# Allegro board S071AA-0413-20260427_Power.brd (continued)
## Routing (per net, layer and track width the routed paths; a pad name or vN(x,y) marks a point on that pad's centre or on a via; arc(x,y) is an arc through that point) (continued)
  TOP w0.305: K43.1 133.37,153.92 LD43.2
  L13_CBIT w0.305: K43.1 132.6,154.69 132.6,137.19 142.76,127.04 160.22,127.04 174.14,113.12 174.14,19.17 175.53,17.78
S1_CBIT044: length 160.4
  TOP w0.305: LD44.2 156.23,153.67 K44.1
  L13_CBIT w0.305: 185.69,17.78 186.91,19 186.91,124.8 155.5,156.21 K44.1
S1_CBIT045: length 204.5
  TOP w0.305: K45.8 182.51,209.12 183.18,209.79 LD45.2
  L13_CBIT w0.305: 193.31,15.24 194.62,16.55 194.62,128.67 190.5,132.79 190.5,202.8 184.18,209.12 K45.8
S1_CBIT046: length 209
  TOP w0.305: LD46.2 182.84,216.56 182.51,216.23 K46.8
  L13_CBIT w0.305: K46.8 182.54,216.23 194.31,204.46 194.31,137.22 197.13,134.4 197.13,19.06 195.85,17.78
S1_CSDPS1-1F:
  vias: v2(238.78,294.62)
S1_CSDPS1-1GS: length 565.1
  L16_DPS w0.203: v2(225.06,294.32) 225.83,294.32 226.63,293.52 270.23,293.52 282.65,305.93 282.65,412.26 274.14,420.76 212.96,420.76 205.73,427.99 86.54,427.99 79.4,420.85 65.6,420.85 59.5,426.95 3.98,426.95 1.37,424.35 1.37,342.65 7.39,336.63 16.86,336.63 18.05,337.82
S1_CSDPS1-1S: length 554
  L16_DPS w0.203: v2(232.68,294.32) 233.06,293.94 269.81,293.94 282.05,306.18 282.05,411.83 274,419.88 212.87,419.88 205.35,427.4 87.8,427.4 80.49,420.08 65.27,420.08 59.35,426 4.58,426 2.13,423.54 2.13,343.42 6.51,339.04 19.37,339.04 20.59,337.82
S1_CSDPS2-1F:
  vias: v2(123.97,294.62)
S1_CSDPS2-1GS: length 55.5
  L09_DPS w0.203: 129.81,335.28 128.83,336.26 119.04,336.26 118.34,335.57 118.34,299.36 v2(113.3,294.32)
S1_CSDPS2-1S: length 46.2
  L09_DPS w0.203: 127.27,335.28 126.2,334.21 121.79,334.21 120.92,333.33 v2(120.92,294.32)
S1_CSDPS3-1F:
  vias: v2(146.83,294.62)
S1_CSDPS3-1GS: length 50.1
  L09_DPS w0.203: v2(136.16,294.32) 136.16,333.98 133.36,336.78 128.3,336.78 127.27,337.82
S1_CSDPS3-1S: length 52
  L09_DPS w0.203: 129.81,337.82 134.37,337.82 137.29,334.9 137.29,300.81 v2(143.78,294.32)
S1_CSDPS4-1F:
  vias: v2(45.23,294.62)
S1_CSDPS4-1GS: length 67.7
  L09_DPS w0.203: 20.59,335.28 19.3,336.57 15.04,336.57 12.03,333.56 12.03,306.27 16.61,301.68 31.65,301.68 34.56,298.78 v2(34.56,294.32)
S1_CSDPS4-1S: length 68
  L09_DPS w0.203: 18.05,335.28 17.07,334.3 14.68,334.3 13.03,332.64 13.03,306.87 17.39,302.51 37.09,302.51 42.18,297.42 v2(42.18,294.32)
S1_CSDPS5-1F:
  vias: v2(96.03,294.62)
S1_CSDPS5-1GS: length 50
  L09_DPS w0.203: v2(85.36,294.32) 85.36,333.92 87.8,336.36 93.17,336.36 94.25,335.28
S1_CSDPS5-1S: length 45.8
  L09_DPS w0.203: v2(92.98,294.32) 87.78,299.52 87.78,333.21 88.86,334.29 90.72,334.29 91.71,335.28
S1_CSDPS6-1F:
  vias: v2(175.28,294.62)
S1_CSDPS6-1GS: length 126.4
  L16_DPS w0.203: 91.71,337.82 92.73,338.84 149.09,338.84 174.03,313.9 174.03,293.69 173.54,293.2 169.33,293.2 168.92,293.62 163.45,293.62 162.75,294.32 v2(161.56,294.32)
S1_CSDPS6-1S: length 113.1
  L16_DPS w0.203: 94.25,337.82 95.49,336.58 149.93,336.58 173.42,313.09 173.42,294.05 173.03,293.66 169.84,293.66 v2(169.18,294.32)
S1_CSDPS7-1F:
  vias: v2(202.71,294.62)
S1_CSDPS7-1GS: length 236.1
  L16_DPS w0.203: 53.61,337.82 54.79,336.64 56.5,336.64 61.56,341.7 61.56,369.74 68.3,376.48 86.44,376.48 88.25,374.67 144.97,374.67 162.76,356.89 180.47,356.89 182.84,354.52 183.41,354.52 184.23,353.7 184.23,326.13 185.31,325.06 185.31,306.03 192.04,299.29 v2(192.04,294.32)
S1_CSDPS7-1S: length 238
  L16_DPS w0.203: v2(199.66,294.32) 198.46,294.32 186.16,306.62 186.16,325.23 184.68,326.71 184.68,355.43 182.68,357.44 163.43,357.44 143.7,377.17 67.96,377.17 60.37,369.57 60.37,342.04 56.15,337.82
S1_DCH001: length 106.9
  L03_DIG w0.132: K1.4 68.93,156.29 68.93,132.79 55.18,119.05 55.18,100.63 53.61,99.06
S1_DCH002: length 101.4
  L05_DIG w0.132: K2.4 69.74,180.72 69.74,133.78 44.74,108.79 44.74,100.36 43.45,99.06
S1_DCH003: length 122.4
  L07_DIG w0.132: 51.07,76.2 52.34,77.47 52.34,110.77 65.75,124.18 65.75,173.53 K3.4
S1_DCH004: length 142.6
  L20_DIG w0.132: K4.4 22.44,203.53 22.44,128.35 36.82,113.97 36.82,77.19 35.83,76.2
S1_DCH005: length 131.1
  L20_DIG w0.132: 38.37,78.74 39.54,79.91 39.54,114.4 25.49,128.45 25.49,198.96 K5.4
S1_DCH006: length 125.6
  L20_DIG w0.132: K6.4 47.87,175.41 47.87,120.35 44.69,117.17 44.69,79.98 43.45,78.74
S1_DCH007: length 145.6
  L07_DIG w0.132: 45.99,76.2 47.28,77.5 47.28,109.17 45.76,110.69 45.76,180.54 40.76,185.55 40.76,204.9 43.09,207.24 49.77,207.24 K7.4
S1_DCH008: length 126.6
  L07_DIG w0.132: 48.53,78.74 49.77,79.98 49.77,109.7 47.84,111.63 47.84,180.59 49.67,182.42 49.67,199.52 K8.4
S1_DCH009: length 129
  L07_DIG w0.132: 53.61,78.74 54.83,79.96 54.83,109.85 68.87,123.9 68.87,178.03 K9.4
S1_DCH010: length 116.3
  L05_DIG w0.132: K10.4 73.73,192.33 67.3,192.33 64.96,189.99 64.96,133.78 42.2,111.02 42.2,97.82 40.91,96.52
S1_DCH011: length 123.6
  L03_DIG w0.132: 51.07,96.52 52.16,97.61 52.16,120.35 66.13,134.32 66.13,170.36 87.9,192.13 97.15,192.13 K11.4
S1_DCH012: length 123.3
  L05_DIG w0.132: K12.4 73.75,199.97 65.9,199.97 62.7,196.77 62.7,183.44 48.86,169.6 48.86,122.2 39.61,112.95 39.61,100.3 38.37,99.06
S1_DCH013: length 143.2
  L03_DIG w0.132: K13.4 97.32,199.92 66.82,199.92 63.24,196.34 63.24,182.52 48.61,167.89 48.61,121.18 49.9,119.89 49.9,100.43 48.53,99.06
S1_DCH014: length 134.8
  L05_DIG w0.132: K14.4 73.42,207.26 65.06,207.26 60.06,202.26 60.06,184.89 46.12,170.94 46.12,123.49 37.12,114.5 37.12,97.82 35.83,96.52
S1_DCH015: length 155.5
  L03_DIG w0.132: K15.4 97.3,207.52 64.81,207.52 59.53,202.23 59.53,184.99 45.94,171.4 45.94,120.45 47.11,119.28 47.11,97.64 45.99,96.52
S1_DCH016: length 116.8
  L20_DIG w0.132: K16.4 28.72,129.31 42.1,115.93 42.1,77.39 40.91,76.2
S1_DCH017: length 148.9
  L18_DIG w0.132: K17.4 34.99,211.15 34.99,170.46 28.03,163.5 28.03,118.39 32.04,114.38 32.04,77.5 30.75,76.2
S1_DCH018: length 155.4
  L07_DIG w0.132: 23.13,78.74 24.35,79.96 24.35,109.04 30.57,115.27 30.57,179.3 37.71,186.44 37.71,210.72 42.18,215.19 50.1,215.19 K18.4
S1_DCH019: length 156.8
  L05_DIG w0.132: K19.4 73.47,214.93 44.09,214.93 39.89,210.74 39.89,169.62 30.32,160.05 30.32,123.8 34.58,119.53 34.58,100.36 33.29,99.06
S1_DCH020: length 182.9
  L03_DIG w0.132: 23.13,99.06 21.86,100.33 21.86,146.86 39.89,164.9 39.89,211.96 42.84,214.91 97.07,214.91 K20.4
S1_DCH021: length 155.9
  L18_DIG w0.132: 33.29,78.74 34.51,79.96 34.51,115.77 30.37,119.91 30.37,160.43 38.47,168.53 38.47,215.29 K21.4
S1_DCH022: length 168
  L07_DIG w0.132: 20.59,76.2 21.83,77.44 21.83,110.62 28.46,117.25 28.46,180.67 34.03,186.23 34.03,216.97 39.64,222.58 49.88,222.58 K22.4
S1_DCH023: length 169.3
  L05_DIG w0.132: K23.4 73.37,222.45 41.19,222.45 35.42,216.69 35.42,170.21 28.13,162.92 28.13,122.78 32.02,118.9 32.02,97.79 30.75,96.52
S1_DCH024: length 196.2
  L03_DIG w0.132: K24.4 97.09,222.55 39.16,222.55 35.45,218.85 35.45,165.23 19.34,149.12 19.34,97.76 20.59,96.52
S1_DCH025: length 157.3
  L18_DIG w0.132: 28.21,78.74 29.43,79.96 29.43,113.46 25.64,117.25 25.64,229.59 K25.4
S1_DCH026: length 180.9
  L07_DIG w0.132: 18.05,78.74 19.32,80.01 19.32,112.62 25.75,119.05 25.75,227.86 27.96,230.07 49.75,230.07 K26.4
S1_DCH027: length 182.9
  L05_DIG w0.132: 28.21,99.06 29.58,100.43 29.58,117.96 25.49,122.05 25.49,226.77 28.92,230.2 73.5,230.2 K27.4
S1_DCH028: length 210
  L03_DIG w0.132: 18.05,99.06 15.43,101.68 15.43,151.13 25.77,161.47 25.77,227.89 27.93,230.05 96.97,230.05 K28.4
S1_DCH029: length 168.4
  L18_DIG w0.132: 25.67,76.2 26.96,77.5 26.96,113.03 23.28,116.71 23.28,234.85 K29.4
S1_DCH030: length 192
  L07_DIG w0.132: K30.4 49.72,237.67 28.06,237.67 23.21,232.82 23.21,120.65 16.8,114.25 16.8,77.5 15.51,76.2
S1_DCH031: length 195.8
  L05_DIG w0.132: K31.4 73.5,237.82 25.62,237.82 23.18,235.38 23.18,121.13 26.94,117.37 26.94,97.79 25.67,96.52
S1_DCH032: length 220.8
  L03_DIG w0.132: 15.51,96.52 13.17,98.86 13.17,153.06 23.26,163.14 23.26,232.79 28.41,237.95 97.25,237.95 K32.4
S1_DCH033: length 108
  L03_DIG w0.132: K33.4 118.04,159.34 118.04,151.09 125.23,143.9 153.92,143.9 176.84,120.97 176.84,97.75 178.07,96.52
S1_DCH034: length 93.3
  L03_DIG w0.132: K34.4 140.71,159.54 140.71,153.43 142.42,151.72 161.19,151.72 184.46,128.44 184.46,100.29 185.69,99.06
S1_DCH035: length 71.7
  L03_DIG w0.132: 162.83,96.52 161.77,97.58 161.77,109.57 147.43,123.9 130.37,123.9 K35.4
S1_DCH036: length 54.7
  L03_DIG w0.132: K36.4 144.59,132.29 148.08,132.29 169.29,111.07 169.29,100.22 170.45,99.06
S1_DCH037: length 100.8
  L03_DIG w0.132: 180.61,99.06 179.39,100.28 179.39,123.18 155.73,146.84 131.26,146.84 125.5,152.6 125.5,159.5 K37.4
S1_DCH038: length 88.1
  L03_DIG w0.132: 188.23,96.52 187.01,97.74 187.01,130 159.03,157.98 149.88,157.98 K38.4
S1_DCH039: length 64.3
  L03_DIG w0.132: 165.37,99.06 164.16,100.27 164.16,110.05 147.87,126.34 135.55,126.34 K39.4
S1_DCH040: length 53.1
  L03_DIG w0.132: 172.99,96.52 171.77,97.73 171.77,112.72 K40.4
S1_DCH041: length 98.9
  L03_DIG w0.132: K41.4 132.96,159.66 132.96,153.89 137.55,149.31 157.99,149.31 181.94,125.36 181.94,97.73 183.15,96.52
S1_DCH042: length 81.7
  L03_DIG w0.132: K42.4 159.87,161.8 189.53,132.14 189.53,100.3 190.77,99.06
S1_DCH043: length 62.2
  L03_DIG w0.132: 167.91,96.52 166.71,97.72 166.71,110.72 148.01,129.42 140.09,129.42 K43.4
S1_DCH044: length 48.4
  L03_DIG w0.132: 175.53,99.06 174.41,100.18 174.41,117.71 K44.4
S1_DCH045: length 185.7
  L03_DIG w0.076: v1(153.92,212.63) 155.01,213.72
  L03_DIG w0.132: 155.01,213.72 155.29,214 168.61,214 174.73,220.12 196.98,220.12 240.31,176.79 240.31,100.34 239.03,99.06
S1_DCH046: length 168.3
  L03_DIG w0.132: v1(153.92,211.83) 155.73,210.02 167.7,210.02 207.17,170.55 207.17,90.53 199.72,83.08 199.72,77.53 198.39,76.2
S1_DCH047: length 168.6
  L07_DIG w0.076: 154.27,214.63 152.72,214.63 v1(152.32,214.23)
  L07_DIG w0.132: 154.27,214.63 167.38,214.63 174.23,221.48 177.39,221.48 234.55,278.64 234.55,280.06 253.06,298.56 253.06,328.99 254.27,330.2
S1_DCH048: length 206.2
  L24_DIG w0.132: v1(153.92,211.03) 155.96,208.99 166.23,208.99 220.47,154.75 220.47,117.1 227.09,110.49 227.09,77.99 235.77,69.31 243.54,69.31 250.45,62.4 250.45,57.16 251.73,55.88
S1_DCH049: length 167.4
  L07_DIG w0.076: v1(152.32,215.03) 152.72,215.43 154.27,215.43
  L07_DIG w0.132: 251.73,332.74 250.48,331.49 250.48,298.61 238.56,286.7 237.74,286.7 166.48,215.43 154.27,215.43
S1_DCH050: length 220.2
  L22_DIG w0.076: v1(153.12,212.63) 153.52,213.03 154.44,213.03 155.13,213.72
  L22_DIG w0.132: 261.89,76.2 260.66,77.43 260.66,160.3 202.06,218.91 200.67,218.91 199.29,220.28 175.28,220.28 168.76,213.77 155.19,213.77 155.13,213.72
S1_DCH051: length 173.8
  L18_DIG w0.076: v1(151.52,215.03) 151.92,215.43 154.27,215.43
  L18_DIG w0.132: 264.43,330.2 263.12,328.89 263.12,307.55 240.41,284.84 240.41,283.74 237.81,281.14 237.05,281.14 179.19,223.28 175.67,223.28 167.82,215.43 154.27,215.43
S1_DCH052: length 207.1
  L22_DIG w0.076: 154.27,211.43 153.52,211.43 v1(153.12,211.83)
  L22_DIG w0.132: 254.27,58.42 243.84,68.85 236.41,68.85 230,75.27 230,147.64 167.1,210.54 155.16,210.54 154.27,211.43
S1_DCH053: length 242.9
  L18_DIG w0.076: 154.27,213.83 151.92,213.83 v1(151.52,213.43)
  L18_DIG w0.132: 154.27,213.83 168.49,213.83 175.59,220.93 186.83,220.93 268.33,302.43 268.33,389.98 269.51,391.16
S1_DCH054: length 205.9
  L05_DIG w0.076: v1(153.12,210.23) 153.52,209.83 154.27,209.83
  L05_DIG w0.132: 188.23,76.2 195.16,69.27 208.54,69.27 224.3,85.02 224.3,148.77 163.24,209.83 154.27,209.83
S1_DCH055: length 195.1
  L18_DIG w0.076: v1(151.52,211.03) 151.92,210.63 154.27,210.63
  L18_DIG w0.132: 154.27,210.63 164.9,210.63 222.36,153.17 222.36,104.48 234.78,92.07 262.52,92.07 266.97,96.52
S1_DCH056: length 197.9
  L22_DIG w0.076: 154.27,209.03 153.52,209.03 v1(153.12,209.43)
  L22_DIG w0.132: 244.11,58.42 238.39,64.14 233.26,64.14 224.73,72.67 224.73,148.34 185.47,187.6 182.94,187.6 161.51,209.03 154.27,209.03
S1_DCH057: length 179.8
  L07_DIG w0.076: v1(152.32,211.03) 152.72,210.63 154.27,210.63
  L07_DIG w0.132: 249.19,78.74 226.38,101.55 226.38,149.51 165.26,210.63 154.27,210.63
S1_DCH058: length 200.2
  L24_DIG w0.132: v1(153.92,209.43) 155.38,207.97 162.22,207.97 176.17,194.01 176.17,191.49 210.57,157.1 210.57,121.8 224.84,107.53 224.84,75.39 234.72,65.5 241.91,65.5 245.39,62.02 245.39,57.14 246.65,55.88
S1_DCH059: length 213.9
  L20_DIG w0.076: v1(152.32,210.23) 152.72,209.83 154.27,209.83
  L20_DIG w0.132: 154.27,209.83 163.2,209.83 220.51,152.51 220.51,64.86 207.66,52.01 197.18,52.01 193.31,55.88
S1_DCH060: length 133.6
  L03_DIG w0.132: 200.93,99.06 202.16,100.29 202.16,152.28 178.95,175.5 178.95,189.72 162.42,206.25 156.3,206.25 v1(153.92,208.63)
S1_DCH061: length 174.3
  L07_DIG w0.076: v1(152.32,213.43) 152.72,213.83 154.27,213.83
  L07_DIG w0.132: 154.27,213.83 167.71,213.83 174.06,220.18 179,220.18 237.12,278.3 237.12,280.57 255.54,298.99 255.54,331.47 256.81,332.74
S1_DCH062: length 180.6
  L18_DIG w0.076: v1(151.52,214.23) 151.92,214.63 154.27,214.63
  L18_DIG w0.132: 154.27,214.63 168.16,214.63 175.51,221.99 182.73,221.99 234.96,274.21 235.82,274.21 238.23,276.63 238.23,277.77 265.82,305.36 265.82,331.59 266.97,332.74
S1_DCH063: length 202.8
  L22_DIG w0.076: 154.27,210.63 153.52,210.63 v1(153.12,211.03)
  L22_DIG w0.132: 249.19,58.42 241.46,66.15 235.11,66.15 227.24,74.02 227.24,148.24 165.64,209.83 155.07,209.83 154.27,210.63
S1_DCH064: length 161.7
  L03_DIG w0.132: v1(153.92,210.23) 155.65,208.5 164.76,208.5 204.86,168.4 204.86,92.95 197.16,85.25 197.16,80.05 195.85,78.74
S1_DCH065: length 225.1
  L22_DIG w0.076: 154.27,213.83 153.52,213.83 v1(153.12,213.43)
  L22_DIG w0.132: 154.27,213.83 154.95,214.52 167.73,214.52 174.8,221.59 202.88,221.59 265.77,158.7 265.77,77.4 266.97,76.2
S1_DCH066: length 237.4
  L24_DIG w0.132: v1(153.92,213.43) 154.32,213.83 167.32,213.83 174.5,221.01 198.16,221.01 240.67,178.49 240.67,148.47 263.29,125.85 263.29,59.56 264.43,58.42
S1_DCH067: length 204.3
  L05_DIG w0.076: 154.27,214.63 153.52,214.63 v1(153.12,214.23)
  L05_DIG w0.132: 154.27,214.63 167.23,214.63 175.22,222.62 211.75,222.62 255.57,178.79 255.57,100.36 254.27,99.06
S1_DCH068: length 192.8
  L03_DIG w0.132: 241.57,96.52 242.83,97.78 242.83,179.19 200.31,221.71 173.4,221.71 166.54,214.85 154.54,214.85 v1(153.92,214.23)
S1_DCH069: length 202.1
  L03_DIG w0.132: 246.65,96.52 247.94,97.81 247.94,136.19 247.04,137.08 247.04,183.9 205.25,225.7 169.27,225.7 164.25,220.68 161.06,220.68 158.6,218.22 154.71,218.22 v1(153.92,217.43)
S1_DCH070: length 246.7
  L24_DIG w0.132: v1(153.92,216.63) 162.68,216.63 170.76,224.71 203.74,224.71 246.81,181.64 246.81,152.49 268.32,130.98 268.32,59.61 269.51,58.42
S1_DCH071: length 194.3
  L03_DIG w0.132: 244.11,99.06 245.31,100.26 245.31,180.86 202.92,223.26 171.75,223.26 164.32,215.83 v1(153.92,215.83)
S1_DCH072: length 244.7
  L24_DIG w0.132: 266.97,55.88 265.82,57.03 265.82,128.4 244.05,150.17 244.05,180.39 201.86,222.59 173.84,222.59 166.28,215.03 v1(153.92,215.03)
S1_DCH073: length 247.6
  L22_DIG w0.076: 154.27,217.03 153.52,217.03 v1(153.12,216.63)
  L22_DIG w0.132: 154.27,217.03 155.42,217.03 156.03,216.42 164.83,216.42 175.88,227.47 226.93,227.47 278.47,279.01 278.47,296.62 275.92,299.17 275.92,372.17 277.13,373.38
S1_DCH074: length 212.4
  L05_DIG w0.076: 154.27,216.23 153.52,216.23 v1(153.12,215.83)
  L05_DIG w0.132: 256.81,96.52 258.13,97.84 258.13,136.65 257.3,137.48 257.3,181.43 213.02,225.7 176.19,225.7 166.72,216.23 154.27,216.23
S1_DCH075: length 231.3
  L22_DIG w0.076: v1(153.12,215.03) 153.52,215.43 154.27,215.43
  L22_DIG w0.132: 272.05,76.2 270.78,77.47 270.78,157.4 203.46,224.72 175.96,224.72 166.66,215.43 154.27,215.43
S1_DCH076: length 162.3
  L07_DIG w0.076: 154.27,217.03 152.72,217.03 v1(152.32,216.63)
  L07_DIG w0.132: 246.65,332.74 245.41,331.5 245.41,305.73 236.69,297.01 236.69,291.26 164.36,218.93 164.36,218.2 163.72,217.56 163.24,217.56 162.67,218.12 161.62,218.12 161.05,217.56 160.23,217.56 159.67,218.12 156.55,218.12 155.46,217.03 154.27,217.03
S1_DCH077: length 161.4
  L07_DIG w0.076: v1(152.32,215.83) 152.72,216.23 154.27,216.23
  L07_DIG w0.132: 249.19,330.2 247.91,328.92 247.91,299.6 164.54,216.23 154.27,216.23
S1_DCH078: length 167.2
  L18_DIG w0.076: 154.27,217.03 151.92,217.03 v1(151.52,216.63)
  L18_DIG w0.132: 259.35,330.2 258.12,328.97 258.12,309.82 165.05,216.75 159.17,216.75 157.85,218.06 155.3,218.06 154.27,217.03
S1_DCH079: length 172.2
  L18_DIG w0.076: 154.27,216.23 151.92,216.23 v1(151.52,215.83)
  L18_DIG w0.132: 154.27,216.23 167.28,216.23 237.7,286.65 238.73,286.65 260.71,308.63 260.71,331.56 261.89,332.74
S1_DCH080: length 252.1
  L20_DIG w0.076: 154.27,213.84 151.13,213.84 v1(150.72,213.43)
  L20_DIG w0.132: 239.03,38.1 240.23,39.3 240.23,181.41 202.93,218.71 200.2,218.71 198.76,220.15 175.35,220.15 169.03,213.84 154.27,213.84
S1_DCH081: length 258.8
  L20_DIG w0.076: 154.27,214.64 151.13,214.64 v1(150.72,214.23)
  L20_DIG w0.132: 241.57,35.56 242.67,36.66 242.67,182.87 204.02,221.53 175.22,221.53 168.33,214.64 154.27,214.64
S1_DCH082: length 260.9
  L20_DIG w0.076: 154.27,215.44 151.13,215.44 v1(150.72,215.03)
  L20_DIG w0.132: 154.27,215.44 167.78,215.44 175.42,223.08 206.97,223.08 245.26,184.79 245.26,39.25 244.11,38.1
S1_DCH083: length 230.3
  L20_DIG w0.076: v1(150.72,215.83) 151.13,216.24 154.27,216.24
  L20_DIG w0.132: 154.27,216.24 166.75,216.24 176.07,225.56 208.7,225.56 250.95,183.31 250.95,130.22 253.04,128.13 253.04,77.51 251.73,76.2
S1_DCH084: length 238.3
  L20_DIG w0.076: v1(150.72,216.63) 151.13,217.04 154.27,217.04
  L20_DIG w0.132: 256.81,76.2 258,77.39 258,128.06 256.16,129.9 256.16,181.97 209.19,228.94 177.87,228.94 167.98,219.04 167.1,219.04 164.85,216.8 159,216.8 157.49,218.31 156.44,218.31 155.17,217.04 154.27,217.04
S1_DCH085: length 171
  L07_DIG w0.076: 138.29,219.68 138.55,219.43 139.12,219.43 v1(139.52,219.03)
  L07_DIG w0.132: 138.29,219.68 137.8,220.18 137.8,223.13 138.55,223.88 138.55,228.84 137.17,230.23 137.17,241.43 135.48,243.12 135.48,256.99 165.47,286.98 165.47,312.24 174.32,321.08 174.32,369.63 175.53,370.84
S1_DCH086: length 192.3
  L18_DIG w0.076: v1(140.32,218.23) 139.92,218.63 138.29,218.63
  L18_DIG w0.132: 175.53,391.16 174.25,389.88 174.25,314.86 135.66,276.28 135.66,233.67 137.71,231.62 137.71,219.21 138.29,218.63
S1_DCH087: length 126.6
  L03_DIG w0.132: 175.53,330.2 174.24,328.92 174.24,308.29 150.98,285.02 149.7,285.02 145.79,281.11 145.79,279.18 143.29,276.68 142.64,276.68 137.97,272.01 137.97,221.38 v1(138.72,220.63)
S1_DCH088: length 191.3
  L18_DIG w0.076: v1(140.32,219.83) 140.72,220.23 140.72,222.61
  L18_DIG w0.132: 140.72,222.61 140.72,223.01 139.75,223.98 139.75,228.3 138.54,229.5 138.54,243.39 137.66,244.27 137.66,273.23 146.66,282.23 147.85,282.23 179.31,313.69 179.31,389.86 180.61,391.16
S1_DCH089: length 227.1
  L20_DIG w0.076: v1(141.12,219.03) 141.53,219.44 141.53,222.58
  L20_DIG w0.132: 261.89,353.06 260.63,351.8 260.63,294.34 238.21,271.91 164.74,271.91 142.96,250.13 142.96,224.64 141.53,223.21 141.53,222.58
S1_DCH090: length 247.3
  L24_DIG w0.132: 249.19,391.16 247.97,389.94 247.97,305.18 230.85,288.05 230.85,286.54 208.8,264.49 154.61,264.49 140.32,250.2 140.32,237.48 138.43,235.59 138.43,229.64 140.32,227.75 v1(140.32,222.23)
S1_DCH091: length 170.5
  L07_DIG w0.076: v1(140.32,220.63) 140.72,221.03 140.72,222.61
  L07_DIG w0.132: 140.72,222.61 142.39,224.27 142.39,254.84 173.79,286.24 173.79,310.19 181.97,318.37 181.97,372.2 183.15,373.38
S1_DCH092: length 191.2
  L18_DIG w0.076: v1(141.92,219.83) 142.32,220.23 142.32,222.58
  L18_DIG w0.132: 185.69,391.16 184.44,389.91 184.44,313.65 163.17,292.37 163.17,291.72 142.76,271.31 142.76,270.3 140.64,268.18 140.64,239.73 142.76,237.61 142.76,223.02 142.32,222.58
S1_DCH093: length 240.6
  L24_DIG w0.132: 244.11,391.16 242.94,389.99 242.94,319.52 204.54,281.13 204.54,279.67 194.02,269.15 152.18,269.15 137.37,254.34 137.37,221.18 v1(138.72,219.83)
S1_DCH094: length 172.8
  L07_DIG w0.076: v1(139.52,219.83) 139.12,220.23 138.6,220.23 138.37,220.46 138.37,222.61
  L07_DIG w0.132: 138.37,222.61 139.79,224.02 139.79,228.34 137.89,230.24 137.89,243.01 137.4,243.5 137.4,255.36 167.88,285.84 167.88,311.49 176.75,320.37 176.75,372.06 178.07,373.38
S1_DCH095: length 247.8
  L24_DIG w0.132: 246.65,393.7 245.52,392.57 245.52,306.27 205.94,266.69 154.23,266.69 139.16,251.62 139.16,244.12 138.05,243 138.05,222.1 v1(138.72,221.43)
S1_DCH096: length 193.7
  L18_DIG w0.076: 138.29,219.73 138.6,219.43 139.92,219.43 v1(140.32,219.03)
  L18_DIG w0.132: 178.07,393.7 176.81,392.44 176.81,314.35 137.17,274.7 137.17,233.24 138.2,232.2 138.2,219.82 138.29,219.73
S1_DCH097: length 127.1
  L03_DIG w0.132: 180.61,330.2 179.35,328.94 179.35,308.05 165.61,294.32 165.61,292.81 164.01,291.21 163.21,291.21 140.33,268.33 140.33,239.19 142.28,237.23 142.28,229.62 140.4,227.74 140.4,223.11 v1(139.52,222.23)
S1_DCH098: length 224.5
  L22_DIG w0.076: v1(140.32,221.43) 140.72,221.83 140.72,222.61
  L22_DIG w0.132: 249.19,370.84 248.11,369.76 248.11,305.67 230.32,287.88 230.32,286.63 207.1,263.41 155.84,263.41 142.44,250.01 142.44,224.32 140.72,222.61
S1_DCH099: length 251.2
  L24_DIG w0.076: 141.52,222.61 141.52,221.83 v1(141.12,221.43)
  L24_DIG w0.132: 251.73,393.7 250.55,392.52 250.55,300.93 236.26,286.64 234.71,286.64 211.05,262.98 156.07,262.98 142.42,249.33 142.42,224.63 141.52,223.73 141.52,222.61
S1_DCH100: length 176.8
  L07_DIG w0.076: v1(139.52,216.63) 139.12,217.03 138.29,217.03
  L07_DIG w0.132: 138.29,217.03 135.98,219.34 135.98,224.7 136.59,225.31 136.59,228.22 135.08,229.73 135.08,235.64 130.67,240.06 130.67,258.78 159.24,287.35 159.24,314.01 166.67,321.44 166.67,372.14 167.91,373.38
S1_DCH101: length 187.8
  L20_DIG w0.076: 138.29,217.03 140.72,217.03 v1(141.12,217.43)
  L20_DIG w0.132: 138.29,217.03 137.92,217.03 136.84,218.11 136.84,222.39 138.53,224.08 138.53,242.5 139.4,243.38 139.4,254.63 202.34,317.57 202.34,372.25 203.47,373.38
S1_DCH102: length 231.5
  L20_DIG w0.076: v1(141.12,218.23) 140.72,217.83 138.29,217.83
  L20_DIG w0.132: 138.29,217.83 137.93,218.19 137.93,222.45 138.44,222.96 139.59,222.96 140.4,223.77 140.4,227.67 142.52,229.79 142.52,235.51 140.4,237.63 140.4,250.1 164.38,274.09 237.78,274.09 258.13,294.44 258.13,349.3 259.35,350.52
S1_DCH103: length 168.1
  L07_DIG w0.076: 139.92,222.61 139.92,221.03 v1(139.52,220.63)
  L07_DIG w0.132: 139.92,222.61 140.48,223.16 140.48,242.2 139.48,243.19 139.48,255.04 171.08,286.64 171.08,311.55 179.39,319.85 179.39,369.62 180.61,370.84
S1_DCH104: length 127.9
  L03_DIG w0.132: v1(138.72,222.23) 138.34,222.61 138.34,241.67 139.46,242.78 139.46,270.87 145.67,277.08 146.25,277.08 149.75,280.58 149.75,281.16 160.16,291.57 160.16,292.25 161.24,293.33 161.91,293.33 176.82,308.23 176.82,331.49 178.07,332.74
S1_DCH105: length 127.9
  L03_DIG w0.132: v1(141.12,222.23) 142.89,224 142.89,264.25 181.88,303.24 181.88,331.47 183.15,332.74
S1_DCH106: length 169.8
  L07_DIG w0.076: v1(141.12,220.63) 141.52,221.03 141.52,222.61
  L07_DIG w0.132: 185.69,370.84 184.43,369.58 184.43,295.88 173.76,285.21 173.76,282.06 172.76,281.05 170.86,281.05 142.95,253.14 142.95,224.03 141.52,222.61
S1_DCH107: length 129.9
  L03_DIG w0.132: v1(138.72,216.63) 136.96,218.39 136.96,233.52 134.92,235.56 134.92,275.39 169.23,309.69 169.23,328.98 170.45,330.2
S1_DCH108: length 148.2
  L05_DIG w0.076: 138.29,217.86 v1(138.72,217.43)
  L05_DIG w0.132: 170.45,350.52 169.23,349.3 169.23,303.37 151.51,285.65 150.21,285.65 137.24,272.67 137.24,233.41 137.88,232.77 137.88,218.27 138.29,217.86
S1_DCH109: length 146.8
  L05_DIG w0.076: v1(139.52,221.43) 139.92,221.83 139.92,222.61
  L05_DIG w0.132: 172.99,353.06 171.74,351.81 171.74,303.47 159.69,291.42 159.69,290.81 139.92,271.04 139.92,239.09 138.34,237.51 138.34,229.64 139.92,228.06 139.92,222.61
S1_DCH110: length 194.3
  L18_DIG w0.076: v1(141.12,219.83) 141.52,220.23 141.52,222.61
  L18_DIG w0.132: 141.52,222.61 142.3,223.39 142.3,235.5 139.59,238.22 139.59,272.89 146.89,280.2 148.28,280.2 181.91,313.83 181.91,392.46 183.15,393.7
S1_DCH111: length 126.1
  L03_DIG w0.132: v1(141.92,222.23) 143.49,223.8 143.49,261.24 184.49,302.24 184.49,329 185.69,330.2
S1_DCH112: length 198.5
  L18_DIG w0.076: 138.29,216.23 139.92,216.23 v1(140.32,215.83)
  L18_DIG w0.132: 167.91,393.7 166.71,392.5 166.71,318.75 130.33,282.37 130.33,236.8 135.88,231.24 135.88,218.64 138.29,216.23
S1_DCH113: length 189.3
  L20_DIG w0.076: v1(141.12,215.83) 140.72,215.43 138.29,215.43
  L20_DIG w0.132: 138.29,215.43 137.24,215.43 134.85,217.82 134.85,222.67 137.25,225.06 137.25,258.53 197.1,318.39 197.1,372.09 198.39,373.38
S1_DCH114: length 173
  L07_DIG w0.076: v1(139.52,217.43) 139.12,217.83 138.42,217.83 138.29,217.96
  L07_DIG w0.132: 138.29,217.96 136.57,219.69 136.57,224.16 137.29,224.88 137.29,228.42 135.44,230.27 135.44,238.17 132.52,241.1 132.52,258.68 160.86,287.02 160.86,312.96 169.15,321.25 169.15,369.54 170.45,370.84
S1_DCH115: length 129.8
  L03_DIG w0.132: 172.99,332.74 171.79,331.54 171.79,309.24 137.37,274.82 137.37,219.58 v1(138.72,218.23)
S1_DCH116: length 194.5
  L18_DIG w0.076: v1(140.32,216.63) 139.92,217.03 138.29,217.03
  L18_DIG w0.132: 170.45,391.16 169.18,389.89 169.18,315.75 132.45,279.01 132.45,235.35 136.61,231.19 136.61,218.71 138.29,217.03
